# KiCad board mains-power-control.kicad_pcb
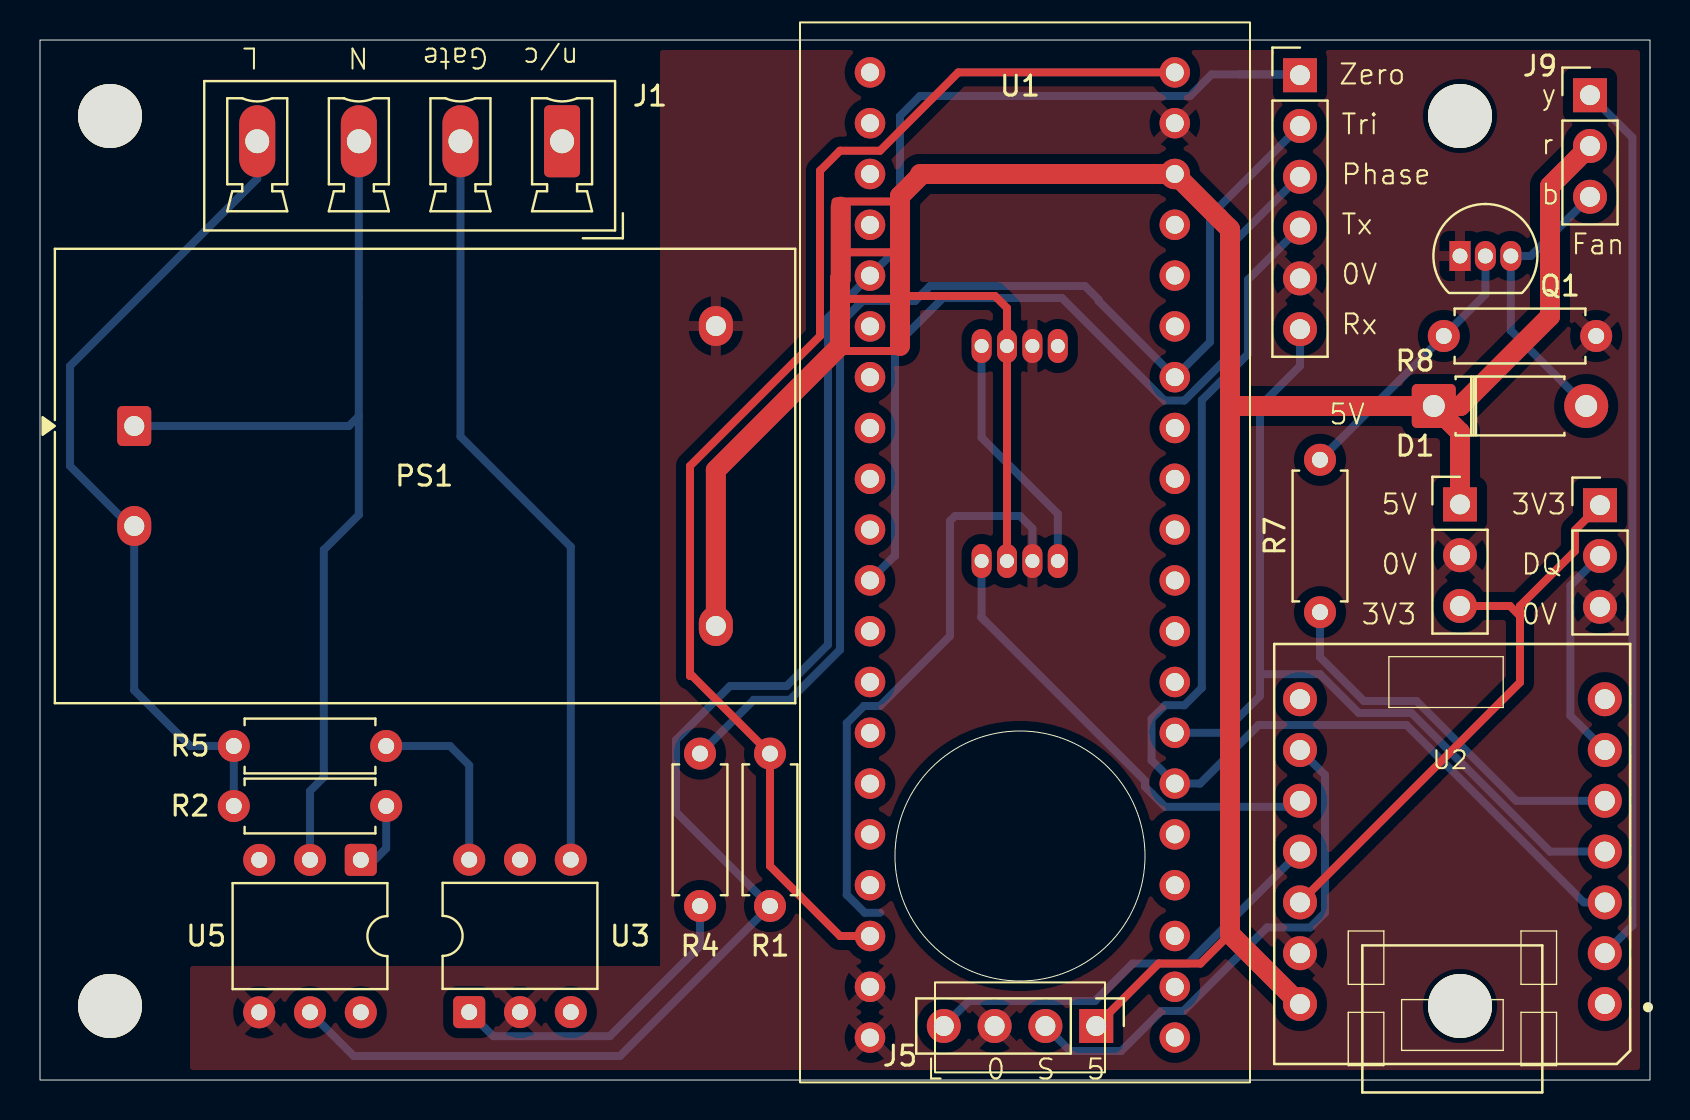
[diagram p0: board, top side]
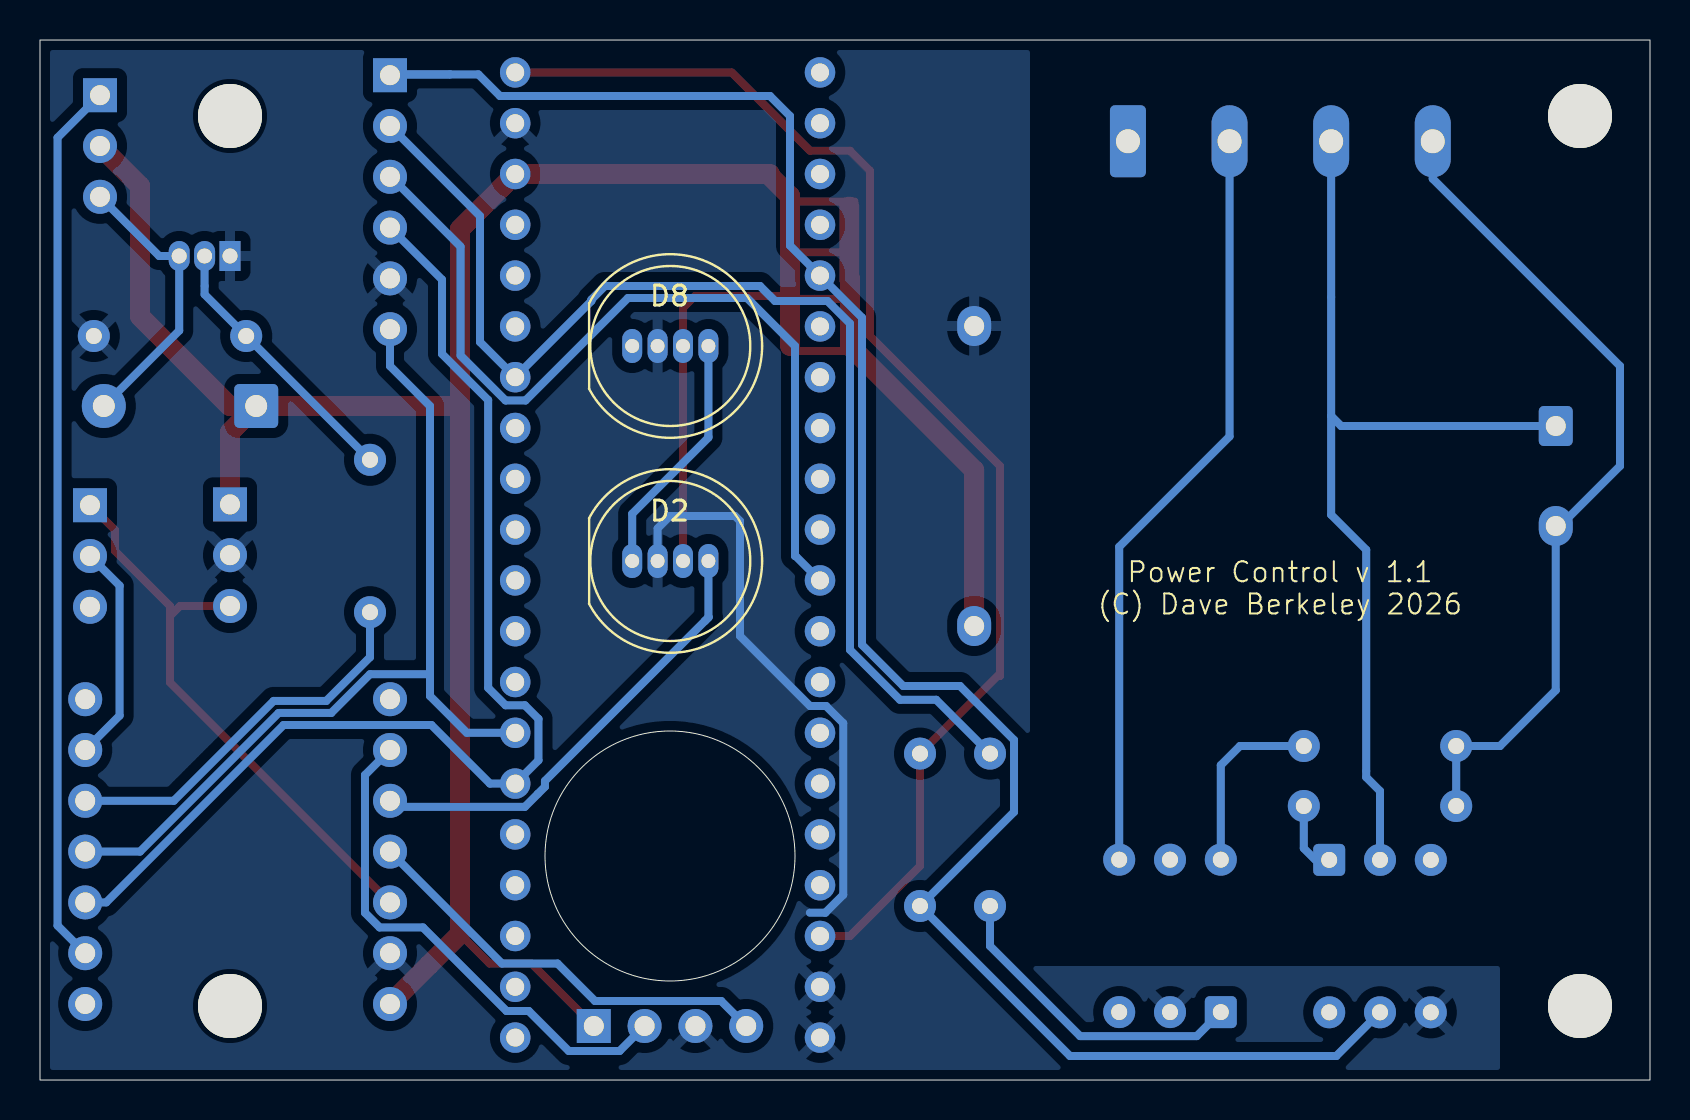
[diagram p1: board, bottom side, seen from below]

Outline 80.5 x 52 mm; copper layers: Top, Bottom. Coordinates in mm from the lower left corner of the outline.
Outline path: rectangle 0,52 80.5,0 ; circle c49,11.2 r6.25

## Placement (name value [footprint] x y rotation side)
D1  1N4148  [D_DO-41_SOD81_P7.62mm_Horizontal]  69.69 33.7 0 top
D2  WS2812B  [LED_D8-YF923]  51.53 25.95 180 bottom
D8  WS2812B  [LED_D8-YF923]  51.53 36.7 180 bottom
H1  MountingHole  [MountingHole_3.2mm_M3]  3.5 48.2 0 top
H2  MountingHole  [MountingHole_3.2mm_M3]  3.5 3.7 0 top
H3  MountingHole  [MountingHole_3.2mm_M3]  71 48.2 0 top
H4  MountingHole  [MountingHole_3.2mm_M3]  71 3.7 0 top
J1  Conn_01x04_Socket  [PhoenixContact_MCV_1,5_4-G-5.08_1x04_P5.08mm_Vertical]  26.1 46.94 180 top
J2  Conn_01x06_Pin  [PinHeader_1x06_P2.54mm_Vertical]  63 50.24 0 top
J3  Conn_01x03_Pin  [PinHeader_1x03_P2.54mm_Vertical]  71 28.78 0 top
J4  Conn_01x03_Pin  [PinHeader_1x03_P2.54mm_Vertical]  78 28.74 0 top
J5  Conn_01x04_Pin  [PinHeader_1x04_P2.54mm_Vertical]  52.81 2.7 270 top
J9  Conn_01x03_Pin  [PinHeader_1x03_P2.54mm_Vertical]  77.5 49.24 0 top
PS1  HLK-PM01  [Converter_ACDC_Hi-Link_HLK-PMxx]  4.71 32.7 0 top
Q1  ZVN4206AV  [TO-92_Inline]  71 41.2 0 top
R1  10k  [R_Axial_DIN0207_L6.3mm_D2.5mm_P7.62mm_Horizontal]  36.5 16.32 270 top
R2  330k  [R_Axial_DIN0207_L6.3mm_D2.5mm_P7.62mm_Horizontal]  17.31 13.7 180 top
R4  120R  [R_Axial_DIN0207_L6.3mm_D2.5mm_P7.62mm_Horizontal]  33 8.7 90 top
R5  150R  [R_Axial_DIN0207_L6.3mm_D2.5mm_P7.62mm_Horizontal]  9.69 16.7 0 top
R7  220R  [R_Axial_DIN0207_L6.3mm_D2.5mm_P7.62mm_Horizontal]  64 23.39 90 top
R8  10K  [R_Axial_DIN0207_L6.3mm_D2.5mm_P7.62mm_Horizontal]  77.81 37.2 180 top
U1  BP  [blue_pill]  49 27.38 180 top
U2  SeeeduinoXIAO  [Seeeduino_XIAO-MOUDLE14P-2.54-21X17.8MM]  79.51 21.8 180 top
U3  MOC3020M  [DIP-6_W7.62mm]  21.46 3.39 90 top
U5  H11AA1  [DIP-6_W7.62mm]  16.04 11.01 270 top

## Library data of the parts
D1 = -: Datasheet: https://www.diodes.com/assets/Datasheets/ds30396.pdf; Description: 75V 0.15A Fast switching Diode, SOD-523; Sim.Device: D; Sim.Pins: 1=K 2=A; ki_fp_filters: D*SOD?523*
D2 D8 = -: Datasheet: https://cdn-shop.adafruit.com/datasheets/WS2812B.pdf; ki_fp_filters: LED*WS2812*PLCC*5.0x5.0mm*P3.2mm*
H1-H4 = -: ki_fp_filters: MountingHole*
J1 J5 = -: Description: Generic connector, single row, 01x04, script generated; ki_fp_filters: Connector*:*_1x??_*
J2 = -: Description: Generic connector, single row, 01x06, script generated; ki_fp_filters: Connector*:*_1x??_*
J3 J4 J9 = -: Description: Generic connector, single row, 01x03, script generated; ki_fp_filters: Connector*:*_1x??_*
PS1 = -: Datasheet: https://h.hlktech.com/download/ACDC%E7%94%B5%E6%BA%90%E6%A8%A1%E5%9D%973W%E7%B3%BB%E5%88%97/1/%E6%B5%B7%E5%87%8C%E7%A7%913W%E7%B3%BB%E5%88%97%E7%94%B5%E6%BA%90%E6%A8%A1%E5%9D%97%E8%A7%84%E6%A0%BC%E4%B9%A6V2.8.pdf; Description: Compact AC/DC board mount power module 3W 5V; ki_fp_filters: Converter*ACDC*Hi?Link*HLK?PM*
Q1 = -: Datasheet: https://www.vishay.com/docs/70226/70226.pdf; Description: 0.2A Id, 200V Vds, N-Channel MOSFET, 2.6V Logic Level, TO-92; ki_fp_filters: TO?92*
R1 R2 R4 R5 R7 R8 = -: Description: Resistor; ki_fp_filters: R_*
U3 = -: Datasheet: https://www.onsemi.com/pub/Collateral/MOC3023M-D.PDF; ki_fp_filters: DIP*W7.62mm* SMDIP*W9.53mm* DIP*W10.16mm*
U5 = -: Datasheet: https://www.vishay.com/docs/83608/h11aa1.pdf; Description: AC/DC NPN Optocoupler, DIP-6; ki_fp_filters: DIP*W7.62mm*

## Footprints (pads in the part's own frame, mm; a bottom-side part is the same pattern mirrored in y, then rotated)
blue_pill
  round 1.524 hole 0.9: 3V3(-7.74,-23) 3V3(7.5,20.18) 5V(-7.74,-17.92) G(-7.74,-20.46) G(7.5,25.26) G(7.5,22.72) NRST(7.5,17.64) PA0(7.5,-12.84) PA1(7.5,-10.3) PA2(7.5,-7.76) PA3(7.5,-5.22) PA4(7.5,-2.68) PA5(7.5,-0.14) PA6(7.5,2.4) PA7(7.5,4.94) PA8(-7.74,15.1) PA9(-7.74,12.56) PA10(-7.74,10.02) PA11(-7.74,7.48) PA12(-7.74,4.94) PA15(-7.74,2.4) PB0(7.5,7.48) PB1(7.5,10.02) PB3(-7.74,-0.14) PB4(-7.74,-2.68) PB5(-7.74,-5.22) PB6(-7.74,-7.76) PB7(-7.74,-10.3) PB8(-7.74,-12.84) PB9(-7.74,-15.38) PB10(7.5,12.56) PB11(7.5,15.1) PB12(-7.74,25.26) PB13(-7.74,22.72) PB14(-7.74,20.18) PB15(-7.74,17.64) PC13(7.5,-20.46) PC14(7.5,-17.92) PC15(7.5,-15.38) VBAT(7.5,-23)
Converter_ACDC_Hi-Link_HLK-PMxx
  rrect 1.7x2 hole 1: 1(0,0)
  oval 1.7x2 hole 1: 2(0,-5) 3(29.08,5) 4(29.08,-10)
D_DO-41_SOD81_P7.62mm_Horizontal
  rrect 2.2x2.2 hole 1.1: 1(0,0)
  round 2.2 hole 1.1: 2(7.62,0)
DIP-6_W7.62mm
  rrect 1.6x1.6 hole 0.8: 1(0,0)
  round 1.6 hole 0.8: 2(0,-2.54) 3(0,-5.08) 4(7.62,-5.08) 5(7.62,-2.54) 6(7.62,0)
LED_D8-YF923
  oval 1x1.7 hole 0.7: 1(3.175,0) 2(0.635,0) 3(1.905,0) 4(4.445,0)
MountingHole_3.2mm_M3
  round 3.2 hole 3.2 unplated: (0,0)
PhoenixContact_MCV_1,5_4-G-5.08_1x04_P5.08mm_Vertical
  rrect 1.8x3.6 hole 1.2: 1(0,0)
  oval 1.8x3.6 hole 1.2: 2(5.08,0) 3(10.16,0) 4(15.24,0)
PinHeader_1x03_P2.54mm_Vertical
  rect 1.7x1.7 hole 1: 1(0,0)
  round 1.7 hole 1: 2(0,-2.54) 3(0,-5.08)
PinHeader_1x04_P2.54mm_Vertical
  rect 1.7x1.7 hole 1: 1(0,0)
  round 1.7 hole 1: 2(0,-2.54) 3(0,-5.08) 4(0,-7.62)
PinHeader_1x06_P2.54mm_Vertical
  rect 1.7x1.7 hole 1: 1(0,0)
  round 1.7 hole 1: 2(0,-2.54) 3(0,-5.08) 4(0,-7.62) 5(0,-10.16) 6(0,-12.7)
R_Axial_DIN0207_L6.3mm_D2.5mm_P7.62mm_Horizontal
  round 1.6 hole 0.8: 1(0,0) 2(7.62,0)
Seeeduino_XIAO-MOUDLE14P-2.54-21X17.8MM
  round 1.7 hole 1: 1(1.27,18) 2(1.27,15.46) 3(1.27,12.92) 4(1.27,10.38) 5(1.27,7.84) 6(1.27,5.3) 7(1.27,2.76) 8(16.51,2.76) 9(16.51,5.3) 10(16.51,7.84) 11(16.51,10.38) 12(16.51,12.92) 13(16.51,15.46) 14(16.51,18)
TO-92_Inline
  rect 1.05x1.5 hole 0.75: 1(0,0)
  oval 1.05x1.5 hole 0.75: 2(1.27,0) 3(2.54,0)

## Nets
0V: D2.3 D8.3 J2.5 J3.2 J4.3 J5.3 PS1.3 Q1.1 R8.1 U1.G U2.13 U3.2 U5.4
3V3: R1.1 U1.3V3
3V3a: J3.3 J4.1 U2.12
5V: D1.1 D2.1 D8.1 J3.1 J5.1 J9.2 PS1.4 U1.5V U2.14
FAN: R7.1 U2.5
fan_speed: J9.1 U2.2
Gate: J1.2 U3.4
L: J1.4 PS1.2 R2.2 R5.1
Lamp: J5.4 U2.11
LED: D2.4 U2.10
N: J1.3 PS1.1 U5.2
OneWire: J4.2 U2.6
Phase: J2.3 U1.PA6
Rx: J2.6 U1.PA10 U2.4
Switch: J5.2 U2.9
Triac: J2.2 R4.2 U1.PB6
Tx: J2.4 U1.PA9 U2.3
Zero: J2.1 R1.2 U1.PA0 U5.5
Net-(D1-A): D1.2 J9.3 Q1.3
Net-(D2-DOUT): D2.2 D8.4
Net-(Q1-G): Q1.2 R7.2 R8.2
Net-(R2-Pad1): R2.1 U5.1
Net-(R4-Pad1): R4.1 U3.1
Net-(R5-Pad2): R5.2 U3.6

Pads without a net: D8 2; J1 1; U1 NRST PA1 PA2 PA3 PA4 PA5 PA7 PA8 PA11 PA12 PA15 PB0 PB1 PB3 PB4 PB5 PB7 PB8 PB9 PB10 PB11 PB12 PB13 PB14 PB15 PC13 PC14 PC15 VBAT; U2 1 7 8; U3 3 5; U5 3 6

## Routing (per net, layer and track width the routed paths; a pad name or vN(x,y) marks a point on that pad's centre or on a via; arc(x,y) is an arc through that point)
0V: length 29.5
  Bottom w0.4: 42.01,8.36 41.23,8.36 40.34,9.26 40.34,17.84 41.2,18.7 42,18.7 45.5,22.2 45.5,27.95 45.75,28.2 49,28.2 49.62,27.58 D2.3
3V3: length 65.4
  Top w0.4: U1.3V3 40,7.2 36.5,10.7 R1.1 32.62,20.2 32.5,20.2 32.5,30.7 39,37.2 39,45.46 40,46.46 42,46.46 45.92,50.38 U1.3V3
3V3a: length 29.3
  Top w0.4: U2.12 74,19.88 74,23.2 ; 74,23.2 73.5,23.7 J3.3 ; 74,23.2 74,23.7 76.75,26.45 76.75,27.49 J4.1
5V: length 160
  Top w0.4: J5.1 55.93,5.82 58.02,5.82 59.5,7.3 ; 40.14,39.06 42.86,39.06 43,39.2 47.75,39.2 48.35,38.6 D8.1 D2.1 ; 42.5,41.38 40.5,41.38 ; 39.78,43.92 42.78,43.92 ; 43,36.45 40.25,36.45 40,36.7
  Top w1: D1.1 71.02,33.7 75.5,38.18 75.5,44.7 J9.2 ; D1.1 59.75,33.7 59.5,33.95 ; D1.1 71,32.39 J3.1 ; 59.5,33.95 59.5,42.54 U1.5V 44,45.3 ; 59.5,33.95 59.5,7.3 U2.14 ; 44,45.2 43,44.2 43,36.7 ; 40,40.08 40,36.7 33.79,30.49 PS1.4 ; 40.04,43.66 40.04,40.04
FAN: length 19.5
  Bottom w0.4: U2.5 73.81,13.96 68.82,18.95 66.19,18.95 64,21.14 R7.1
fan_speed: length 44.4
  Bottom w0.4: U2.2 79.62,7.72 79.62,47.12 J9.1
Gate: length 38.2
  Bottom w0.4: U3.4 26.54,26.66 21.02,32.18 J1.2
L: length 41.9
  Bottom w0.4: R2.2 R5.1 7.5,16.7 4.71,19.49 PS1.2 4.5,27.7 1.5,30.7 1.5,35.7 10.86,45.06 J1.4
Lamp: length 21.4
  Bottom w0.4: U2.11 57.4,5.82 54.62,5.82 52.75,3.95 46.44,3.95 J5.4
LED: length 23.2
  Bottom w0.4: 47.25,22.95 55.25,14.95 55.25,14.66 56.26,13.66 62.7,13.66 U2.10 ; 47.25,22.95 47.08,23.12 D2.4 ; 47.25,22.95 47.06,23.15
N: length 49.2
  Bottom w0.4: 15.94,33.2 J1.3 ; 15.94,33.2 15.44,32.7 PS1.1 4.71,31.91 ; 15.94,33.2 15.94,28.26 14.19,26.51 14.19,15.14 13.5,14.45 U5.2
OneWire: length 11
  Bottom w0.4: J4.2 76.52,24.72 76.52,18.22 U2.6
Phase: length 43.5
  Bottom w0.4: U1.PA6 42.72,26.2 42.75,26.2 42.75,36.7 45.15,39.1 51.1,39.1 56.22,33.98 57.22,33.98 59.47,36.23 59.47,41.67 63,45.2
Rx: length 45.1
  Bottom w0.4: U1.PA10 59.16,17.36 61,19.2 61,20.2 ; 61,20.2 61.09,20.29 64,20.29 65.94,18.35 68.57,18.35 75.5,11.42 U2.4 ; 61,20.2 61,33.7 63,35.7 J2.6
Switch: length 26
  Bottom w0.4: J5.2 51.52,1.45 54.06,1.45 56.06,3.45 57.17,3.45 61.35,7.63 63.52,7.63 64.25,8.36 64.25,15.25 U2.9
Triac: length 60.1
  Bottom w0.4: J2.2 58.5,43.2 58.5,36.9 U1.PB6 52.93,38.95 52.93,39.02 52.25,39.7 44.5,39.7 43.75,38.95 41.13,38.95 40,37.82 40,21.51 37.5,19.01 35.69,19.01 R4.2
Tx: length 58.3
  Bottom w0.4: U2.3 77.19,8.88 68.32,17.75 60.93,17.75 58,14.82 U1.PA9 55.58,15.98 55.58,18.06 56.26,18.74 57.22,18.74 58.09,19.61 58.09,34 60.4,36.3 60.4,40.02 J2.4
Zero: length 99.8
  Bottom w0.4: U1.PA0 39.4,38.12 39.4,21.76 37.34,19.7 34.5,19.7 31.8,17 31.8,13.4 R1.2 29,1.2 15.69,1.2 U5.5 ; U1.PA0 41.98,40.7 ; U1.PA0 43,41.72 43,48.2 44,49.2 57.5,49.2 58.58,50.28 60,50.28 ; 60,50.28 63,50.28 ; 60,50.28 63.5,50.28
Net-(D1-A): length 14.2
  Bottom w0.4: J9.3 74.54,41.2 Q1.3 73.54,37.47 D1.2
Net-(D2-DOUT): length 12.3
  Bottom w0.4: D2.2 50.89,28.31 47.08,32.12 D8.4
Net-(Q1-G): length 13.6
  Bottom w0.4: R7.2 R8.2 72.27,39.28 Q1.2
Net-(R2-Pad1): length 2.9
  Bottom w0.4: 16.73,11.01 17.31,11.59 R2.1
Net-(R4-Pad1): length 15.9
  Bottom w0.4: R4.1 33,6.7 28.49,2.19 22.66,2.19 U3.1
Net-(R5-Pad2): length 9.3
  Bottom w0.4: U3.6 21.46,15.74 20.5,16.7 R5.2

## Copper pours and planes (outline as drawn; the poured copper is in the pictures)
0V on Top, Bottom: 31,5.7 7.5,5.7 7.5,0.5 80.5,0.5 80.5,52.5 31,52

## Text on the board
B.Silkscreen: Power Control v 1.1 / (C) Dave Berkeley 2026
F.Silkscreen: L | 0 | S | 5 | 5V | Zero | Tri | Phase | Tx | 0V | Rx | 3V3 | DQ | y | r | b | Fan | N | Gate | n/c
